# KiCad board panel.opm-inline.kicad_pcb (continued)
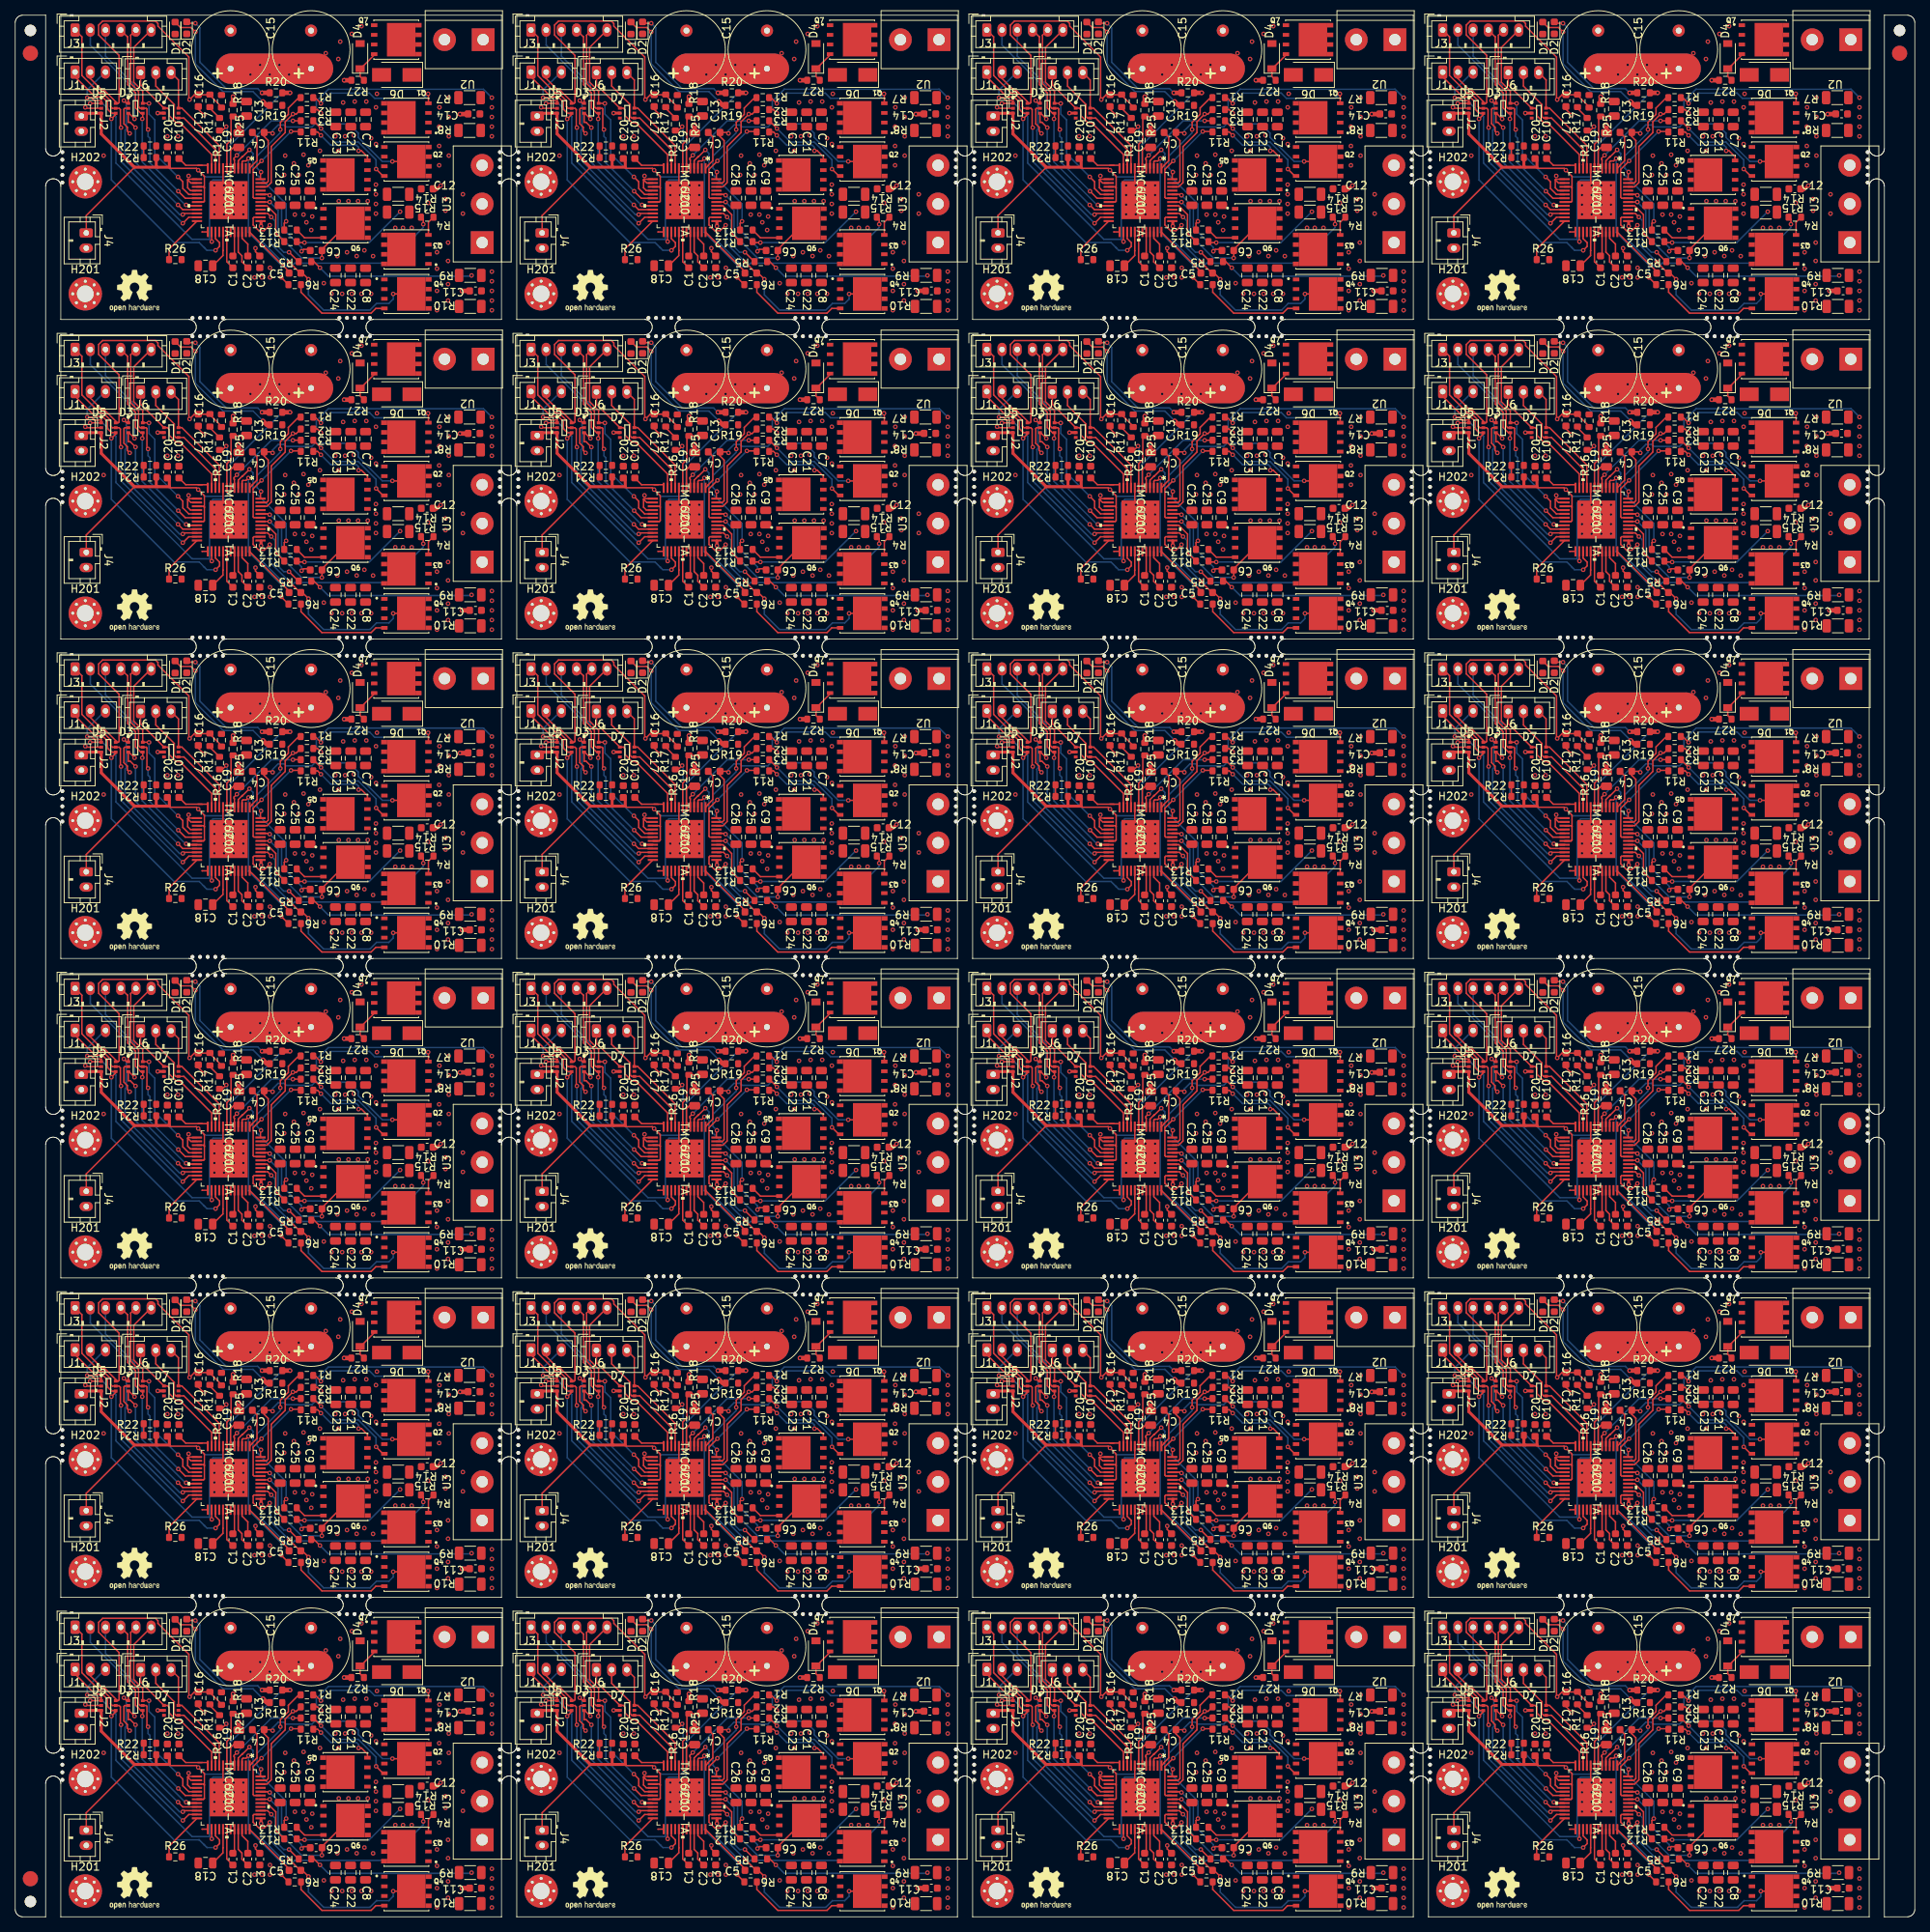
[diagram p0: board, top side]
## Routing (per net, layer and track width the routed paths; a pad name or vN(x,y) marks a point on that pad's centre or on a via; arc(x,y) is an arc through that point) (continued)
Board_19-Net-(C4-Pad2): length 5.4
  Top w0.2: C4#18.2 211.64,65.98 211.64,62.87 211.04,62.27 211.04,62.22 IC1#18.1
Board_19-Net-(C5-Pad1): length 7.4
  Top w0.2: IC1#18.36 210.68,53.48 215.86,48.3
Board_19-Net-(C5-Pad2): length 31.7
  Top w0.2: v1(229.56,45.36) Q4#6.5 ; v1(218.42,47.29) 217.61,48.1 C5#15.2 ; v1(213.32,54.39) 212.6,53.66 211.89,53.66 211.14,54.42 211.14,55.32 211.26,55.44 IC1#18.38 ; 217.41,48.3 217.13,48.3 v1(215.86,49.57)
  Bottom w0.2: v1(213.32,54.39) 213.42,54.29 213.42,52.01 v1(215.86,49.57) ; v1(229.56,45.36) 229.56,44.67 228.99,44.1 227.36,44.1 226.49,43.23 220.41,43.23 218.42,45.23 v1(218.42,47.29)
  vias: v1(235.31,50.84) v1(235.31,48.68) v1(235.31,45.76) v1(235.31,43.22) v1(236.77,52.11) v1(236.77,49.69) v1(236.77,46.64) v1(236.77,44.49)
Board_19-Net-(C6-Pad1): length 19.3
  Top w0.2: v1(213.32,57.44) 213.32,57.44 IC1#18.42 ; Q6#18.5 223.62,54.65 220.19,51.22 220.19,50.09 v1(220.18,50.07)
  Bottom w0.2: v1(213.32,57.44) 214.42,56.34 214.42,53.17 217.51,50.07 v1(220.18,50.07)
  vias: v1(222.4,57.56) v1(223.67,57.56) v1(224.94,57.56) v1(226.21,57.56) v1(227.28,59.73) v1(227.28,58.46) v1(227.28,57.19) v1(227.28,55.92)
Board_19-Net-(C6-Pad2): length 12.4
  Top w0.2: v1(217.51,50.96) 217.77,51.22 218.64,51.22 ; v1(213.32,58.33) 213.22,58.44 IC1#18.44 212.96,58.44
  Bottom w0.2: v1(217.51,50.96) 217.51,51.47 214.88,54.1 214.88,56.77 v1(213.32,58.33)
Board_19-Net-(D1-Pad2): length 19.4
  Top w0.2: R19#9.1 212.94,70.14 ; D1#20.2 201.59,80.38 202.96,80.38 v1(203.54,79.79)
  Top w0.6: 212.94,70.14 v1(212.43,70.65)
  Bottom w0.2: v1(203.54,79.79) 203.54,75.6 207.19,71.95 211.13,71.95 v1(212.43,70.65)
Board_19-Net-(D2-Pad2): length 17.4
  Top w0.2: v1(203.54,80.93) 202.58,80.93 D2#2.2
  Top w0.6: R20#17.1 v1(212.31,71.79)
  Bottom w0.2: v1(203.54,80.93) 204.14,80.33 204.14,75.81 207.6,72.35 211.74,72.35 v1(212.31,71.79)
Board_19-Net-(D4-Pad1): length 4.4
  Top w0.2: 225.26,74.97 227.06,76.77 Q7#19.4 ; D4#13.1 225.21,73.94 R27#11.1
Board_19-Net-(IC1-Pad3): length 20.6
  Top w0.2: v1(210.53,63.15) 210.21,62.84 209.8,62.84 209.68,62.72 IC1#18.3 ; v1(214.85,47.53) 214.85,47.51 R6#12.2
  Bottom w0.2: v1(210.53,63.15) 210.53,53.45 214.85,49.13 v1(214.85,47.53)
Board_19-Net-(IC1-Pad4): length 16.7
  Top w0.2: 209.68,63.37 209.77,63.45 ; 209.68,63.37 209.18,62.87 IC1#18.4 209.18,62.68 ; 209.68,63.37 209.72,63.37 v1(210.66,64.3) ; v1(215.48,54.9) 215.23,54.65 R13#13.2
  Bottom w0.2: v1(215.48,54.9) 215.48,57.19 211.13,61.54 211.13,63.82 v1(210.66,64.3)
Board_19-Net-(IC1-Pad5): length 12.2
  Top w0.2: v1(209,63.58) 208.62,63.2 208.62,63.03 208.68,62.97 IC1#18.5 ; R3#24.2 216.38,68.12 v1(216.37,68.11)
  Bottom w0.2: v1(209,63.58) 213.53,68.11 v1(216.37,68.11)
Board_19-Net-(IC1-Pad24): length 6.6
  Top w0.2: R26#3.1 200.08,51.26 IC1#18.24
Board_19-Net-(IC1-Pad37): length 28.9
  Top w0.2: v1(233.52,54.52) 233.52,55.14 R4#5.2 ; 212.18,54.87 IC1#18.37
  Top w0.4: v1(212.18,54.26) 212.18,54.87
  Bottom w0.2: v1(233.52,54.52) 233.52,54.09 228.82,49.4 216.59,49.4 216.15,48.97 215.57,48.97 212.18,52.36 v1(212.18,54.26)
Board_19-Net-(IC1-Pad39): length 9.3
  Top w0.2: 217.13,49.8 216.9,49.8 v1(215.86,50.84) ; v1(213.52,55.46) 213.05,55.94 IC1#18.39
  Bottom w0.2: v1(213.52,55.46) 214.02,54.96 214.02,51.97 215.16,50.84 v1(215.86,50.84)
Board_19-Net-(IC1-Pad41): length 6.5
  Top w0.2: IC1#18.41 212.96,56.94 214.12,55.78 214.12,53.34 R12#13.2
Board_19-Net-(IC1-Pad43): length 13.1
  Top w0.2: IC1#18.43 211.26,57.94 211.14,58.06 211.14,61.73 v1(212.24,62.84) ; v1(216.12,66.71) 217.34,66.71 R11#21.2
  Bottom w0.2: v1(212.24,62.84) v1(216.12,66.71)
Board_19-Net-(IC1-Pad46): length 13.1
  Top w0.2: IC1#18.46 212.96,59.44 213.52,59.99 213.52,64.73 215.35,66.57 215.35,67.98 216.37,69 v1(216.37,69) 216.81,69 R2#6.2
Board_19-Net-(IC1-Pad48): length 13.8
  Top w0.2: R1#7.2 217.13,71.16 215.77,69.79 215.77,68.96 214.72,67.91 v1(214.72,66.96) ; v1(212.18,61.38) 212.11,61.31 IC1#18.48
  Bottom w0.2: v1(214.72,66.96) 214.72,66.54 211.64,63.46 211.64,61.91 v1(212.18,61.38) 212.18,61.63
Board_19-Net-(Q1-Pad4): length 17.8
  Top w0.2: Q1#9.4 234.19,71.62 v1(234.15,71.66) ; R1#7.1 219.29,71.16 v1(220.05,70.39)
  Bottom w0.2: v1(234.15,71.66) 233.55,71.06 227.13,71.06 226.44,71.76 221.42,71.76 v1(220.05,70.39)
Board_19-Net-(Q2-Pad4): length 13.2
  Top w0.2: v1(227.31,61.77) 228.22,60.86 Q2#15.4 ; 220.18,66.99 v1(220.06,67.1) R3#24.1
  Bottom w0.2: v1(227.31,61.77) 227.31,62.98 224.97,65.31 221.85,65.31 v1(220.06,67.1)
Board_19-Net-(Q3-Pad4): length 2.6
  Top w0.2: R4#5.1 234.19,54.78 Q3#11.4
Board_19-Net-(Q4-Pad4): length 13.5
  Top w0.2: Q4#6.4 227.27,43.45 226.66,42.83 220.18,42.83 217.43,45.58 R6#12.1 217.63,46.58
Board_19-Net-(Q5-Pad4): length 9.2
  Top w0.2: v1(220.05,66.2) 219.61,66.65 R11#21.1 ; Q5#14.4 226.17,63.39 225.39,64.17 v1(225.01,64.17)
  Bottom w0.2: v1(220.05,66.2) 221.35,64.91 224.73,64.91 225.01,64.62 v1(225.01,64.17)
Board_19-Net-(Q6-Pad4): length 3.9
  Top w0.2: R13#13.1 217.89,52.74 Q6#18.4
Board_19-Net-(R16-Pad2): length 2
  Top w0.2: R16#16.2 205.45,69.76 R17#10.1
Board_20-/+VM: length 61.7
  Top w0.2: IC1#14.33 29.33,8.86 29.82,8.38 29.82,7.58 C2#12.1
  Top w0.6: R25#7.2 v1(28.65,29.29)
  Top w4: 28.39,32.98 39.82,32.98
  In1.Cu w4: 28.65,32.98 38.45,32.98
  In2.Cu w4: 28.39,32.98 39.82,32.98 28.39,32.98
  Bottom w4: 28.39,32.98 39.82,32.98
  vias: v1(30.93,32.21) v1(31.46,5.54) v1(32.2,33.48) v1(32.43,5.54) v1(33.47,32.21) v1(33.5,6.81) v1(33.5,5.54) v1(34.74,33.48) v1(35.38,19.01) v1(35.5,21.55) v1(36.01,32.21) v1(36.65,20.53) v1(37.28,33.48) v1(37.28,19.01) v1(37.92,21.67) v1(38.55,20.28) v1(40.08,22.18) v1(40.84,35.01) v1(42.36,8.35) v1(42.49,34.25) v1(42.49,22.18) v1(42.74,36.53) v1(43.12,28.53) v1(43.63,8.85) v1(44.27,37.55) v1(44.65,28.66) v1(44.9,8.35) v1(45.54,38.56) v1(45.92,9.1) v1(46.17,28.66) v1(47.06,8.34) v1(47.44,27.9) v1(47.57,29.67) v1(49.98,12.06) v1(51,12.06) v1(52.14,12.06)
Board_20-/ADC_I_u: length 15.5
  Top w0.2: IC1#14.9 26.83,22.87 21.92,27.78 D7#7.6 21.47,31.49 J6#19.3
Board_20-/ADC_I_v: length 17.7
  Top w0.2: 26.27,20.36 26.33,20.3 IC1#14.10 26.33,22.34 22.18,26.48 D7#7.4 21.13,26.48 20.92,26.69 20.92,28.26 18.49,30.69 J6#19.2 18.99,31.96
Board_20-/ADC_I_w: length 17
  Top w0.2: IC1#14.11 25.83,21.69 21.66,25.86 21.18,25.86 20.26,26.78 20.26,27.54 20.02,27.78 D7#7.1 16.49,30.87 J6#19.1
Board_20-/Connectors/VOFS: length 1.8
  Top w0.2: R22#5.1 R21#20.2 ; 16.58,21.16 16.9,21.16
Board_20-/DRV_EN: length 38.5
  Top w0.2: v1(12.64,26.37) 13.21,26.94 D5#11.4 12.66,27.12 12.14,27.64 12.14,28.59 11.44,29.28 10.5,29.28 7.87,31.91 J1#12.1 ; v1(26.35,9.1) 26.87,9.62 26.87,10.11 26.33,10.64 IC1#14.27 26.33,11.1 26.35,11.08
  Bottom w0.2: 24.84,9.48 24.96,9.35 ; 24.84,9.48 24.2,10.12 20.88,10.12 12.64,18.35 v1(12.64,26.37) ; 24.84,9.48 25.22,9.1 v1(26.35,9.1)
Board_20-/FAULT: length 63.4
  Top w0.2: v1(9.85,28.4) 9.87,28.42 D5#11.1 11.31,28.73 ; 11.37,28.78 10.43,28.78 10.05,29.17 v1(9.47,29.17) ; v1(25.85,10.24) 25.83,10.26 IC1#14.26
  Top w0.6: R20#14.2 v1(36.14,29.8)
  Bottom w0.2: 13.15,26.75 12.93,26.97 ; 13.15,26.75 13.24,26.66 13.24,20.57 23.27,10.54 25.55,10.54 ; 13.15,26.75 11.5,28.4 v1(9.85,28.4) ; 25.55,10.54 v1(25.85,10.24) ; 25.55,10.54 25.55,17.88 26.02,18.35 28.05,18.35 28.28,18.59 28.28,22.96 35.12,29.8 v1(36.14,29.8) ; J1#12.3 11.81,32.53 9.47,30.18 v1(9.47,29.17)
Board_20-/Motor Driver/VOFS: length 4.7
  Top w0.2: 24.04,20.28 25.31,20.28 ; C10#8.1 22.42,20.28 24.58,20.28
Board_20-/TEMP_PCB: length 42.5
  Top w0.2: 13.21,35.17 13.2,35.18 ; 13.2,35.18 13.66,34.72 13.66,28.53 13.55,28.42 D5#11.6 13.21,28.64 11.78,30.08 11.48,30.08 9.87,31.68 J1#12.2 ; 13.2,35.18 10.97,37.41 10.97,38.7 11.5,39.23 18.45,39.23 18.77,38.91 18.77,38.57 22.84,34.5 22.84,29 v1(22.93,28.91) 23.57,29.55 C17#2.1 25.57,29.55 R17#16.2 25.6,29.48 27.12,27.96
Board_20-/U: length 27.2
  Top w0.2: R2#4.1 39.74,27.6 v1(40.2,27.13)
  Bottom w0.2: v1(62.68,29.17) 61.57,30.27 41.18,30.27 39.6,28.69 39.6,27.73 v1(40.2,27.13)
  vias: v1(62.68,27.9) v1(62.68,26.63) v1(62.68,25.36) v1(62.68,24.09)
Board_20-/UH: length 27.5
  Top w0.2: v1(21.41,18.75) 22.04,18.12 22.04,17.23 22.82,16.45 IC1#14.17 ; 17.87,37.7 J3#21.6 15.59,35.77 15.59,31.2 16.77,30.02 D3#21.6 17.58,28.42 v1(17.6,28.4)
  Bottom w0.2: v1(17.6,28.4) 17.6,27.01 18.36,26.25 18.36,21.8 v1(21.41,18.75)
Board_20-/UL: length 27.4
  Top w0.2: v1(17.47,24.97) 17.32,25.13 17.32,27.67 17.22,27.77 D3#21.5 16.43,27.77 16.22,27.98 16.22,29.98 16.07,30.12 16.07,30.15 15.19,31.03 15.19,37.37 J3#21.5 ; IC1#14.18 22.36,15.95 v1(21.44,16.87)
  Bottom w0.2: v1(17.47,24.97) 17.47,24.09 17.72,23.83 17.72,20.58 v1(21.44,16.87)
Board_20-/V: length 15.3
  Top w0.2: R12#14.1 37.15,10.12 v1(38.04,10.12)
  Bottom w0.2: v1(50.62,14.18) 46.55,10.12 v1(38.04,10.12)
  vias: v1(54.3,15.32) v1(56.59,15.83) v1(56.59,14.31) v1(58.87,16.47) v1(58.87,13.93)
Board_20-/VH: length 30.4
  Top w0.2: v1(22.48,15.07) 22.6,14.95 IC1#14.20 23.03,14.95 ; D3#21.4 16.51,27.12 15.82,27.81 15.82,29.8 15.42,30.2 15.42,30.24 14.79,30.87 14.79,37.17 14.76,37.17 J3#21.4 ; D3#21.4 16.57,27.12 ; D3#21.4 16.77,26.31
  Bottom w0.2: 16.71,26.24 16.71,20.71 22.48,14.95 22.29,14.95 22.29,15.06 ; 14.42,37.51 J3#21.4
  vias: v1(16.71,26.37)
Board_20-/VL: length 32.1
  Top w0.2: IC1#14.21 22.03,14.45 v1(21.41,15.07) ; v1(15.69,26.37) 14.94,27.12 D3#21.3 ; 14.93,27.06 D3#21.3 ; D3#21.3 14.87,25.92 15.12,25.92 v1(15.82,25.23)
  Bottom w0.2: v1(15.69,26.37) 15.69,30.82 11.87,34.64 J3#21.3 ; v1(21.41,15.07) 15.82,20.66 v1(15.82,25.23)
Board_20-/VSA: length 5
  Top w0.2: C18#18.1 27.32,8.42 27.32,9.06 27.33,9.07 IC1#14.29
Board_20-/W: length 21.9
  Top w0.2: 38.96,7.83 38.93,7.81 ; R5#6.1 39.28,7.61 v1(40.08,6.81)
  Bottom w0.2: v1(40.08,6.81) 41.18,5.71 59.92,5.71 v1(60.01,5.8)
  vias: v1(62.68,6.31) v1(62.68,5.04) v1(62.68,3.77) v1(62.68,2.5) v1(62.68,1.23)
Board_20-/WH: length 33.7
  Top w0.2: v1(14.29,28.78) 14.66,28.42 D3#21.1 ; IC1#14.22 22.19,13.95 v1(22.04,13.8) ; D3#21.1 14.8,28.48 ; D3#21.1 14.87,29.23 v1(15.06,29.42)
  Bottom w0.2: 14.91,20.51 21.62,13.8 v1(22.04,13.8) ; 14.91,20.51 14.46,20.96 14.46,24.88 14.59,25.02 14.59,28.48 v1(14.29,28.78) ; 14.91,20.51 14.8,20.61 ; 13.51,32.43 13.31,32.63 ; 13.31,32.63 9.87,36.07 J3#21.2 ; 13.31,32.63 14.71,31.23 ; 14.8,31.14 14.71,31.23 ; 14.71,31.23 15.06,30.89 v1(15.06,29.42)
Board_20-/WL: length 34.8
  Top w0.2: IC1#14.23 22.83,13.45 v1(22.04,12.66) ; v1(13.91,25.23) 13.83,25.31 13.83,27.6 13.66,27.77 D5#11.5 12.76,27.77 12.54,28 12.54,28.75 11.61,29.68 11.17,29.68 8.77,32.08 8.77,37.16 J3#21.1 7.89,38.06
  Bottom w0.2: v1(22.04,12.66) 13.91,20.78 v1(13.91,25.23) ; 7.87,37.51 J3#21.1
Board_20-GND: length 31.2
  Top w0.2: 59.54,27.01 C14#18.2 ; C17#2.2 24.07,27.64 v1(24.84,26.88) ; D5#11.2 9.34,27.77 v1(9.21,27.9) ; 24.58,11.51 24.59,11.52 IC1#14.25 25.33,11.41 ; 29.83,17.45 IC1#14.EPAD ; IC1#14.EPAD 27.33,16.45 IC1#14.8 ; IC1#14.EPAD 25.83,13.45 ; v1(15.06,24.47) 14.76,24.77 14.76,25.27 14.29,25.74 14.29,27.64 14.42,27.77 D3#21.2 ; C3#15.2 31.59,8.92 v1(31.59,9.38) ; 18.74,27.13 v1(18.74,27.13) ; IC1#14.13 22.75,18.45 22.68,18.37 ; IC1#14.14 23.1,17.95 22.68,18.37 ; 22.68,18.37 22.68,17.32 23.05,16.95 IC1#14.16
  Top w0.4: 54.95,17.1 55.44,17.1 v1(55.95,17.61) ; D7#7.2 18.74,27.13
  Top w0.6: v1(43.25,31.45) R27#14.2 ; v1(58.74,3.77) C11#17.2 ; v1(58.49,27.01) 59.54,27.01 ; C19#16.2 v1(29.41,25.61)
  vias: v1(11.63,21.55) v1(20.01,24.09) v1(21.41,24.09) v1(22.8,18.88) v1(26.19,17.64) v1(26.19,16.37) v1(26.19,15.1) v1(26.19,13.83) v1(27.46,17.64) v1(27.46,16.37) v1(27.46,15.1) v1(27.46,13.83) v1(28.73,17.64) v1(28.73,16.37) v1(28.73,15.1) v1(28.73,13.83) v1(30,17.64) v1(30,16.37) v1(30,15.1) v1(30,13.83) v1(36.77,13.8) v1(37.92,13.8) v1(38.3,12.78) v1(38.93,11.77) v1(39.06,13.54) v1(40.58,4.78) v1(41.6,3.38) v1(42.11,24.09) v1(43,3.38) v1(43.38,24.09) v1(44.27,3.38) v1(44.52,24.21) v1(45.54,3.38) v1(46.81,23.83) v1(46.81,3.38) v1(47.44,23.07)
Board_20-Net-(C1-Pad1): length 5
  Top w0.2: IC1#14.30 27.83,7.6 C1#24.1
Board_20-Net-(C1-Pad2): length 3.2
  Top w0.2: C1#24.2 28.83,8.57 IC1#14.32
Board_20-Net-(C2-Pad2): length 3.5
  Top w0.2: IC1#14.34 29.83,10.68 30.59,9.92 C2#12.2
Board_20-Net-(C4-Pad1): length 31
  Top w0.2: C4#3.1 32.74,24.12 ; C4#3.1 33.73,24.59 v1(33.85,24.47) ; C4#3.1 32.74,24.06 33.27,23.52 33.27,18.17 33.05,17.95 IC1#14.47 ; v1(49.6,20.78) 49.61,20.78 Q2#9.5
  Bottom w0.2: v1(33.85,24.47) 33.85,24.85 34.58,25.57 35.34,25.57 35.6,25.32 39.03,25.32 39.42,25.71 43.91,25.71 45.12,24.5 45.12,23.94 48.28,20.78 v1(49.6,20.78)
  vias: v1(55.79,27.9) v1(55.75,25.36) v1(55.75,22.82) v1(55.75,20.28) v1(57.02,29.17) v1(57.02,26.63) v1(57.02,24.09) v1(57.02,21.55)
Board_20-Net-(C4-Pad2): length 5.4
  Top w0.2: C4#3.2 31.79,23.99 31.79,20.88 31.19,20.28 31.19,20.23 IC1#14.1
Board_20-Net-(C5-Pad1): length 7.4
  Top w0.2: IC1#14.36 30.83,11.49 36.01,6.31
Board_20-Net-(C5-Pad2): length 31.7
  Top w0.2: v1(49.71,3.37) Q4#7.5 ; v1(38.56,5.3) 37.76,6.11 C5#12.2 ; v1(33.47,12.4) 32.74,11.67 32.04,11.67 31.29,12.43 31.29,13.33 31.41,13.45 IC1#14.38 ; 37.56,6.31 37.28,6.31 v1(36.01,7.58)
  Bottom w0.2: v1(33.47,12.4) 33.57,12.3 33.57,10.02 v1(36.01,7.58) ; v1(49.71,3.37) 49.71,2.68 49.14,2.11 47.51,2.11 46.64,1.24 40.56,1.24 38.56,3.24 v1(38.56,5.3)
  vias: v1(55.46,8.85) v1(55.46,6.69) v1(55.46,3.77) v1(55.46,1.23) v1(56.92,10.12) v1(56.92,7.7) v1(56.92,4.65) v1(56.92,2.5)
Board_20-Net-(C6-Pad1): length 19.3
  Top w0.2: v1(33.47,15.45) 33.47,15.45 IC1#14.42 ; Q6#16.5 43.77,12.66 40.34,9.23 40.34,8.1 v1(40.33,8.08)
  Bottom w0.2: v1(33.47,15.45) 34.57,14.35 34.57,11.18 37.66,8.08 v1(40.33,8.08)
  vias: v1(42.55,15.57) v1(43.82,15.57) v1(45.09,15.57) v1(46.36,15.57) v1(47.43,17.74) v1(47.43,16.47) v1(47.43,15.2) v1(47.43,13.93)
Board_20-Net-(C6-Pad2): length 12.4
  Top w0.2: v1(37.66,8.97) 37.92,9.23 38.79,9.23 ; v1(33.47,16.34) 33.36,16.45 IC1#14.44 33.11,16.45
  Bottom w0.2: v1(37.66,8.97) 37.66,9.48 35.03,12.11 35.03,14.78 v1(33.47,16.34)
Board_20-Net-(D1-Pad2): length 19.4
  Top w0.2: R19#20.1 33.09,28.15 ; D1#19.2 21.74,38.39 23.11,38.39 v1(23.69,37.8)
  Top w0.6: 33.09,28.15 v1(32.58,28.66)
  Bottom w0.2: v1(23.69,37.8) 23.69,33.61 27.34,29.96 31.28,29.96 v1(32.58,28.66)
Board_20-Net-(D2-Pad2): length 17.4
  Top w0.2: v1(23.69,38.94) 22.73,38.94 D2#7.2
  Top w0.6: R20#14.1 v1(32.46,29.8)
  Bottom w0.2: v1(23.69,38.94) 24.29,38.34 24.29,33.82 27.75,30.36 31.89,30.36 v1(32.46,29.8)
Board_20-Net-(D4-Pad1): length 4.4
  Top w0.2: 45.41,32.98 47.21,34.78 Q7#16.4 ; D4#8.1 45.36,31.95 R27#14.1
Board_20-Net-(IC1-Pad3): length 20.6
  Top w0.2: v1(30.68,21.16) 30.36,20.85 29.95,20.85 29.83,20.73 IC1#14.3 ; v1(35,5.54) 35,5.52 R6#20.2
  Bottom w0.2: v1(30.68,21.16) 30.68,11.46 35,7.14 v1(35,5.54)
Board_20-Net-(IC1-Pad4): length 16.7
  Top w0.2: 29.83,21.38 29.92,21.46 ; 29.83,21.38 29.33,20.88 IC1#14.4 29.33,20.69 ; 29.83,21.38 29.87,21.38 v1(30.8,22.31) ; v1(35.63,12.91) 35.38,12.66 R13#20.2
  Bottom w0.2: v1(35.63,12.91) 35.63,15.2 31.28,19.55 31.28,21.83 v1(30.8,22.31)
Board_20-Net-(IC1-Pad5): length 12.2
  Top w0.2: v1(29.15,21.59) 28.77,21.21 28.77,21.04 28.83,20.98 IC1#14.5 ; R3#12.2 36.53,26.13 v1(36.52,26.12)
  Bottom w0.2: v1(29.15,21.59) 33.68,26.12 v1(36.52,26.12)
Board_20-Net-(IC1-Pad24): length 6.6
  Top w0.2: R26#22.1 20.23,9.27 IC1#14.24
Board_20-Net-(IC1-Pad37): length 28.9
  Top w0.2: v1(53.66,12.53) 53.66,13.15 R4#22.2 ; 32.33,12.88 IC1#14.37
  Top w0.4: v1(32.33,12.27) 32.33,12.88
  Bottom w0.2: v1(53.66,12.53) 53.66,12.1 48.97,7.41 36.74,7.41 36.3,6.98 35.72,6.98 32.33,10.37 v1(32.33,12.27)
Board_20-Net-(IC1-Pad39): length 9.3
  Top w0.2: 37.28,7.81 37.05,7.81 v1(36.01,8.85) ; v1(33.67,13.47) 33.2,13.95 IC1#14.39
  Bottom w0.2: v1(33.67,13.47) 34.17,12.97 34.17,9.98 35.31,8.85 v1(36.01,8.85)
Board_20-Net-(IC1-Pad41): length 6.5
  Top w0.2: IC1#14.41 33.11,14.95 34.27,13.79 34.27,11.35 R12#14.2
Board_20-Net-(IC1-Pad43): length 13.1
  Top w0.2: IC1#14.43 31.41,15.95 31.29,16.07 31.29,19.74 v1(32.39,20.85) ; v1(36.27,24.72) 37.49,24.72 R11#19.2
  Bottom w0.2: v1(32.39,20.85) v1(36.27,24.72)
Board_20-Net-(IC1-Pad46): length 13.1
  Top w0.2: IC1#14.46 33.11,17.45 33.67,18 33.67,22.74 35.5,24.58 35.5,25.99 36.52,27.01 v1(36.52,27.01) 36.96,27.01 R2#4.2
Board_20-Net-(IC1-Pad48): length 13.8
  Top w0.2: R1#3.2 37.28,29.17 35.92,27.8 35.92,26.97 34.87,25.92 v1(34.87,24.97) ; v1(32.33,19.39) 32.26,19.32 IC1#14.48
  Bottom w0.2: v1(34.87,24.97) 34.87,24.55 31.79,21.47 31.79,19.92 v1(32.33,19.39) 32.33,19.64
Board_20-Net-(Q1-Pad4): length 17.8
  Top w0.2: Q1#17.4 54.34,29.63 v1(54.3,29.67) ; R1#3.1 39.44,29.17 v1(40.2,28.4)
  Bottom w0.2: v1(54.3,29.67) 53.7,29.07 47.28,29.07 46.59,29.77 41.56,29.77 v1(40.2,28.4)
Board_20-Net-(Q2-Pad4): length 13.2
  Top w0.2: v1(47.46,19.78) 48.37,18.87 Q2#9.4 ; 40.33,25 v1(40.21,25.11) R3#12.1
  Bottom w0.2: v1(47.46,19.78) 47.46,20.99 45.12,23.32 42,23.32 v1(40.21,25.11)
Board_20-Net-(Q3-Pad4): length 2.6
  Top w0.2: R4#22.1 54.34,12.79 Q3#14.4
Board_20-Net-(Q4-Pad4): length 13.5
  Top w0.2: Q4#7.4 47.42,1.46 46.81,0.84 40.33,0.84 37.58,3.59 R6#20.1 37.78,4.59
Board_20-Net-(Q5-Pad4): length 9.2
  Top w0.2: v1(40.2,24.21) 39.76,24.66 R11#19.1 ; Q5#19.4 46.32,21.4 45.54,22.18 v1(45.16,22.18)
  Bottom w0.2: v1(40.2,24.21) 41.5,22.92 44.88,22.92 45.16,22.63 v1(45.16,22.18)
Board_20-Net-(Q6-Pad4): length 3.9
  Top w0.2: R13#20.1 38.04,10.75 Q6#16.4
Board_20-Net-(R16-Pad2): length 2
  Top w0.2: R16#18.2 25.6,27.77 R17#16.1
Board_21-/+VM: length 61.7
  Top w0.2: IC1#24.33 89.28,8.86 89.77,8.38 89.77,7.58 C2#16.1
  Top w0.6: R25#16.2 v1(88.6,29.29)
  Top w4: 88.34,32.98 99.77,32.98
  In1.Cu w4: 88.6,32.98 98.4,32.98
  In2.Cu w4: 88.34,32.98 99.77,32.98 88.34,32.98
  Bottom w4: 88.34,32.98 99.77,32.98
  vias: v1(90.88,32.21) v1(91.41,5.54) v1(92.15,33.48) v1(92.38,5.54) v1(93.42,32.21) v1(93.45,6.81) v1(93.45,5.54) v1(94.69,33.48) v1(95.33,19.01) v1(95.45,21.55) v1(95.96,32.21) v1(96.6,20.53) v1(97.23,33.48) v1(97.23,19.01) v1(97.87,21.67) v1(98.5,20.28) v1(100.03,22.18) v1(100.79,35.01) v1(102.31,8.35) v1(102.44,34.25) v1(102.44,22.18) v1(102.69,36.53) v1(103.07,28.53) v1(103.58,8.85) v1(104.22,37.55) v1(104.6,28.66) v1(104.85,8.35) v1(105.49,38.56) v1(105.87,9.1) v1(106.12,28.66) v1(107.01,8.34) v1(107.39,27.9) v1(107.52,29.67) v1(109.93,12.06) v1(110.95,12.06) v1(112.09,12.06)
Board_21-/ADC_I_u: length 15.5
  Top w0.2: IC1#24.9 86.78,22.87 81.87,27.78 D7.6 81.42,31.49 J6#6.3
Board_21-/ADC_I_v: length 17.7
  Top w0.2: 86.22,20.36 86.28,20.3 IC1#24.10 86.28,22.34 82.13,26.48 D7.4 81.08,26.48 80.87,26.69 80.87,28.26 78.44,30.69 J6#6.2 78.94,31.96
Board_21-/ADC_I_w: length 17
  Top w0.2: IC1#24.11 85.78,21.69 81.61,25.86 81.13,25.86 80.21,26.78 80.21,27.54 79.97,27.78 D7.1 76.44,30.87 J6#6.1
Board_21-/Connectors/VOFS: length 1.8
  Top w0.2: R22#15.1 R21#19.2 ; 76.53,21.16 76.85,21.16
Board_21-/DRV_EN: length 38.5
  Top w0.2: v1(72.59,26.37) 73.16,26.94 D5#17.4 72.61,27.12 72.09,27.64 72.09,28.59 71.39,29.28 70.45,29.28 67.82,31.91 J1#3.1 ; v1(86.3,9.1) 86.82,9.62 86.82,10.11 86.28,10.64 IC1#24.27 86.28,11.1 86.3,11.08
  Bottom w0.2: 84.79,9.48 84.91,9.35 ; 84.79,9.48 84.15,10.12 80.83,10.12 72.59,18.35 v1(72.59,26.37) ; 84.79,9.48 85.17,9.1 v1(86.3,9.1)
Board_21-/FAULT: length 63.4
  Top w0.2: v1(69.8,28.4) 69.82,28.42 D5#17.1 71.26,28.73 ; 71.32,28.78 70.38,28.78 70,29.17 v1(69.42,29.17) ; v1(85.8,10.24) 85.78,10.26 IC1#24.26
  Top w0.6: R20.2 v1(96.09,29.8)
  Bottom w0.2: 73.1,26.75 72.88,26.97 ; 73.1,26.75 73.19,26.66 73.19,20.57 83.22,10.54 85.5,10.54 ; 73.1,26.75 71.45,28.4 v1(69.8,28.4) ; 85.5,10.54 v1(85.8,10.24) ; 85.5,10.54 85.5,17.88 85.97,18.35 88,18.35 88.23,18.59 88.23,22.96 R20.2 v1(96.09,29.8) ; J1#3.3 71.76,32.53 69.42,30.18 v1(69.42,29.17)
Board_21-/Motor Driver/VOFS: length 4.7
  Top w0.2: 83.99,20.28 85.26,20.28 ; C10#6.1 82.37,20.28 84.53,20.28
Board_21-/TEMP_PCB: length 42.5
  Top w0.2: 73.16,35.17 73.15,35.18 ; 73.15,35.18 73.61,34.72 73.61,28.53 73.5,28.42 D5#17.6 73.16,28.64 71.73,30.08 71.43,30.08 69.82,31.68 J1#3.2 ; 73.15,35.18 70.92,37.41 70.92,38.7 71.45,39.23 78.4,39.23 78.72,38.91 78.72,38.57 82.79,34.5 82.79,29 v1(82.88,28.91) 83.52,29.55 C17#17.1 85.52,29.55 R17#23.2 85.55,29.48 87.07,27.96
Board_21-/U: length 27.2
  Top w0.2: R2#5.1 99.69,27.6 v1(100.15,27.13)
  Bottom w0.2: v1(122.63,29.17) 121.52,30.27 101.14,30.27 99.55,28.69 99.55,27.73 v1(100.15,27.13)
  vias: v1(122.63,27.9) v1(122.63,26.63) v1(122.63,25.36) v1(122.63,24.09)
Board_21-/UH: length 27.5
  Top w0.2: v1(81.36,18.75) 81.99,18.12 81.99,17.23 82.77,16.45 IC1#24.17 ; 77.82,37.7 J3#7.6 75.54,35.77 75.54,31.2 76.72,30.02 D3#15.6 77.53,28.42 v1(77.55,28.4)
  Bottom w0.2: v1(77.55,28.4) 77.55,27.01 78.31,26.25 78.31,21.8 v1(81.36,18.75)
Board_21-/UL: length 27.4
  Top w0.2: v1(77.42,24.97) 77.27,25.13 77.27,27.67 77.17,27.77 D3#15.5 76.38,27.77 76.17,27.98 76.17,29.98 76.02,30.12 76.02,30.15 75.14,31.03 75.14,37.37 J3#7.5 ; IC1#24.18 82.31,15.95 v1(81.39,16.87)
  Bottom w0.2: v1(77.42,24.97) 77.42,24.09 77.67,23.83 77.67,20.58 v1(81.39,16.87)
Board_21-/V: length 15.3
  Top w0.2: R12#2.1 97.1,10.12 v1(97.99,10.12)
  Bottom w0.2: v1(110.57,14.18) 106.5,10.12 v1(97.99,10.12)
  vias: v1(114.25,15.32) v1(116.54,15.83) v1(116.54,14.31) v1(118.82,16.47) v1(118.82,13.93)
Board_21-/VH: length 30.4
  Top w0.2: v1(82.43,15.07) 82.55,14.95 IC1#24.20 82.98,14.95 ; D3#15.4 76.46,27.12 75.77,27.81 75.77,29.8 75.37,30.2 75.37,30.24 74.74,30.87 74.74,37.17 74.71,37.17 J3#7.4 ; D3#15.4 76.52,27.12 ; D3#15.4 76.72,26.31
  Bottom w0.2: 76.66,26.24 76.66,20.71 82.43,14.95 82.24,14.95 82.24,15.06 ; 74.37,37.51 J3#7.4
  vias: v1(76.66,26.37)
Board_21-/VL: length 32.1
  Top w0.2: IC1#24.21 81.98,14.45 v1(81.36,15.07) ; v1(75.64,26.37) 74.9,27.12 D3#15.3 ; 74.88,27.06 D3#15.3 ; D3#15.3 74.82,25.92 75.07,25.92 v1(75.77,25.23)
  Bottom w0.2: v1(75.64,26.37) 75.64,30.82 71.82,34.64 J3#7.3 ; v1(81.36,15.07) 75.77,20.66 v1(75.77,25.23)
Board_21-/VSA: length 5
  Top w0.2: C18#13.1 87.27,8.42 87.27,9.06 87.28,9.07 IC1#24.29
Board_21-/W: length 21.9
  Top w0.2: 98.91,7.83 98.88,7.81 ; R5#18.1 99.23,7.61 v1(100.03,6.81)
  Bottom w0.2: v1(100.03,6.81) 101.13,5.71 119.87,5.71 v1(119.97,5.8)
  vias: v1(122.63,6.31) v1(122.63,5.04) v1(122.63,3.77) v1(122.63,2.5) v1(122.63,1.23)
Board_21-/WH: length 33.7
  Top w0.2: v1(74.25,28.78) 74.61,28.42 D3#15.1 ; IC1#24.22 82.14,13.95 v1(81.99,13.8) ; D3#15.1 74.75,28.48 ; D3#15.1 74.82,29.23 v1(75.01,29.42)
  Bottom w0.2: 74.86,20.51 81.57,13.8 v1(81.99,13.8) ; 74.86,20.51 74.41,20.96 74.41,24.88 74.55,25.02 74.55,28.48 v1(74.25,28.78) ; 74.86,20.51 74.75,20.61 ; 73.46,32.43 73.26,32.63 ; 73.26,32.63 69.82,36.07 J3#7.2 ; 73.26,32.63 74.66,31.23 ; 74.75,31.14 74.66,31.23 ; 74.66,31.23 75.01,30.89 v1(75.01,29.42)
Board_21-/WL: length 34.8
  Top w0.2: IC1#24.23 82.78,13.45 v1(81.99,12.66) ; v1(73.86,25.23) 73.78,25.31 73.78,27.6 73.61,27.77 D5#17.5 72.71,27.77 72.49,28 72.49,28.75 71.56,29.68 71.12,29.68 68.72,32.08 68.72,37.16 J3#7.1 67.84,38.06
  Bottom w0.2: v1(81.99,12.66) 73.86,20.78 v1(73.86,25.23) ; 67.82,37.51 J3#7.1
Board_21-GND: length 31.2
  Top w0.2: 119.49,27.01 C14#16.2 ; C17#17.2 84.02,27.64 v1(84.79,26.88) ; D5#17.2 69.29,27.77 v1(69.17,27.9) ; 84.53,11.51 84.54,11.52 IC1#24.25 85.28,11.41 ; 89.78,17.45 IC1#24.EPAD ; IC1#24.EPAD 87.28,16.45 IC1#24.8 ; IC1#24.EPAD 85.78,13.45 ; v1(75.01,24.47) 74.71,24.77 74.71,25.27 74.25,25.74 74.25,27.64 74.37,27.77 D3#15.2 ; C3#23.2 91.54,8.92 v1(91.54,9.38) ; IC1#24.13 82.7,18.45 82.63,18.37 ; IC1#24.14 83.05,17.95 82.63,18.37 ; 82.63,18.37 82.63,17.32 83,16.95 IC1#24.16
  Top w0.4: 114.9,17.1 115.39,17.1 v1(115.9,17.61) ; D7.2 v1(78.69,27.13)
  Top w0.6: v1(103.2,31.45) R27#23.2 ; v1(118.7,3.77) C11#18.2 ; v1(118.44,27.01) 119.49,27.01 ; C19#4.2 v1(89.36,25.61)
  vias: v1(71.58,21.55) v1(79.96,24.09) v1(81.36,24.09) v1(82.75,18.88) v1(86.14,17.64) v1(86.14,16.37) v1(86.14,15.1) v1(86.14,13.83) v1(87.41,17.64) v1(87.41,16.37) v1(87.41,15.1) v1(87.41,13.83) v1(88.68,17.64) v1(88.68,16.37) v1(88.68,15.1) v1(88.68,13.83) v1(89.95,17.64) v1(89.95,16.37) v1(89.95,15.1) v1(89.95,13.83) v1(96.72,13.8) v1(97.87,13.8) v1(98.25,12.78) v1(98.88,11.77) v1(99.01,13.54) v1(100.53,4.78) v1(101.55,3.38) v1(102.06,24.09) v1(102.95,3.38) v1(103.33,24.09) v1(104.22,3.38) v1(104.47,24.21) v1(105.49,3.38) v1(106.76,23.83) v1(106.76,3.38) v1(107.39,23.07)
Board_21-Net-(C1-Pad1): length 5
  Top w0.2: IC1#24.30 87.78,7.6 C1#21.1
Board_21-Net-(C1-Pad2): length 3.2
  Top w0.2: C1#21.2 88.78,8.57 IC1#24.32
Board_21-Net-(C2-Pad2): length 3.5
  Top w0.2: IC1#24.34 89.78,10.68 90.54,9.92 C2#16.2
Board_21-Net-(C4-Pad1): length 31
  Top w0.2: C4#10.1 92.69,24.12 ; C4#10.1 93.68,24.59 v1(93.8,24.47) ; C4#10.1 92.69,24.06 93.22,23.52 93.22,18.17 93,17.95 IC1#24.47 ; v1(109.55,20.78) 109.56,20.78 Q2#18.5
  Bottom w0.2: v1(93.8,24.47) 93.8,24.85 94.53,25.57 95.29,25.57 95.55,25.32 98.98,25.32 99.37,25.71 103.86,25.71 105.07,24.5 105.07,23.94 108.23,20.78 v1(109.55,20.78)
  vias: v1(115.7,25.36) v1(115.7,22.82) v1(115.7,20.28) v1(115.74,27.9) v1(116.97,29.17) v1(116.97,26.63) v1(116.97,24.09) v1(116.97,21.55)